# Allegro board LED_FIN.brd (continued)
## Routing (per net, layer and track width the routed paths; a pad name or vN(x,y) marks a point on that pad's centre or on a via; arc(x,y) is an arc through that point) (continued)
  BOTTOM w0.15: v1(155.25,10.6) 154.78,11.07 154.78,41.77 155.13,42.12 155.13,129.53 154.68,129.98 154.68,131.75 155.25,132.32 v1(155.25,166.8) v1(155.25,168.8) v1(155.25,170.8) v1(155.25,172.8) v1(155.25,174.8) v1(155.25,176.8) v1(155.25,178.8) v1(155.25,180.8) v1(155.25,182.8) v1(155.25,184.8) v1(155.25,186.8) v1(155.25,188.8) v1(155.25,190.8) v1(155.25,192.8) v1(155.25,194.8) v1(155.25,196.8) v1(155.25,198.8) v1(155.25,200.8) v1(155.25,202.8) v1(155.25,204.8) v1(155.25,206.8) v1(155.25,208.8) v1(155.25,210.8) v1(155.25,212.8) v1(155.25,214.8) v1(155.25,216.8) v1(155.25,218.8) v1(155.25,220.8) v1(155.25,222.8) v1(155.25,224.8) v1(155.25,226.8) v1(155.25,228.8) v1(155.25,230.8) v1(155.25,232.8) v1(155.25,234.8) v1(155.25,236.8) v1(155.25,238.8) v1(155.25,240.8)
COL_OUT_C62: length 257.6
  TOP w0.15: D10798.1 v1(153.25,206.8) ; D11158.1 v1(153.25,182.8) ; D11308.1 v1(153.25,172.8) ; D11278.1 v1(153.25,174.8) ; D10378.1 v1(153.25,234.8) ; D10498.1 v1(153.25,226.8) ; D10648.1 v1(153.25,216.8) ; D10528.1 v1(153.25,224.8) ; D10468.1 v1(153.25,228.8) ; D10558.1 v1(153.25,222.8) ; D10288.1 v1(153.25,240.8) ; D11188.1 v1(153.25,180.8) ; v1(153.25,10.6) 152.7,10.6 R298.1 ; D11218.1 v1(153.25,178.8) ; D10888.1 v1(153.25,200.8) ; D10618.1 v1(153.25,218.8) ; D10918.1 v1(153.25,198.8) ; D11068.1 v1(153.25,188.8) ; D10408.1 v1(153.25,232.8) ; D10708.1 v1(153.25,212.8) ; D11038.1 v1(153.25,190.8) ; D10738.1 v1(153.25,210.8) ; D10348.1 v1(153.25,236.8) ; D11098.1 v1(153.25,186.8) ; D10768.1 v1(153.25,208.8) ; D10978.1 v1(153.25,194.8) ; D10588.1 v1(153.25,220.8) ; D10438.1 v1(153.25,230.8) ; D10318.1 v1(153.25,238.8) ; D11368.1 v1(153.25,168.8) ; D11008.1 v1(153.25,192.8) ; D10828.1 v1(153.25,204.8) ; D11128.1 v1(153.25,184.8) ; D10948.1 v1(153.25,196.8) ; D10678.1 v1(153.25,214.8) ; D11248.1 v1(153.25,176.8) ; D10858.1 v1(153.25,202.8) ; D11398.1 v1(153.25,166.8) ; D11338.1 v1(153.25,170.8)
  BOTTOM w0.15: v1(153.25,240.8) v1(153.25,238.8) v1(153.25,236.8) v1(153.25,234.8) v1(153.25,232.8) v1(153.25,230.8) v1(153.25,228.8) v1(153.25,226.8) v1(153.25,224.8) v1(153.25,222.8) v1(153.25,220.8) v1(153.25,218.8) v1(153.25,216.8) v1(153.25,214.8) v1(153.25,212.8) v1(153.25,210.8) v1(153.25,208.8) v1(153.25,206.8) v1(153.25,204.8) v1(153.25,202.8) v1(153.25,200.8) v1(153.25,198.8) v1(153.25,196.8) v1(153.25,194.8) v1(153.25,192.8) v1(153.25,190.8) v1(153.25,188.8) v1(153.25,186.8) v1(153.25,184.8) v1(153.25,182.8) v1(153.25,180.8) v1(153.25,178.8) v1(153.25,176.8) v1(153.25,174.8) v1(153.25,172.8) v1(153.25,170.8) v1(153.25,168.8) v1(153.25,166.8) 153.34,166.71 153.34,41.87 153.44,41.77 153.44,10.79 v1(153.25,10.6)
COL_OUT_C63: length 257.9
  TOP w0.15: D10677.1 v1(151.25,214.8) ; D11397.1 v1(151.25,166.8) ; D10437.1 v1(151.25,230.8) ; D10407.1 v1(151.25,232.8) ; D10497.1 v1(151.25,226.8) ; D10527.1 v1(151.25,224.8) ; D10347.1 v1(151.25,236.8) ; D10857.1 v1(151.25,202.8) ; D10707.1 v1(151.25,212.8) ; D11217.1 v1(151.25,178.8) ; D11157.1 v1(151.25,182.8) ; D11007.1 v1(151.25,192.8) ; D10377.1 v1(151.25,234.8) ; D10917.1 v1(151.25,198.8) ; D10977.1 v1(151.25,194.8) ; R297.1 150.7,10.6 v1(151.25,10.6) ; D10827.1 v1(151.25,204.8) ; D10647.1 v1(151.25,216.8) ; D10767.1 v1(151.25,208.8) ; D10557.1 v1(151.25,222.8) ; D10737.1 v1(151.25,210.8) ; D11367.1 v1(151.25,168.8) ; D10467.1 v1(151.25,228.8) ; D10617.1 v1(151.25,218.8) ; D10587.1 v1(151.25,220.8) ; D10797.1 v1(151.25,206.8) ; D10947.1 v1(151.25,196.8) ; D11337.1 v1(151.25,170.8) ; D11067.1 v1(151.25,188.8) ; D11277.1 v1(151.25,174.8) ; D11037.1 v1(151.25,190.8) ; D10287.1 v1(151.25,240.8) ; D11307.1 v1(151.25,172.8) ; D11247.1 v1(151.25,176.8) ; D10887.1 v1(151.25,200.8) ; D11127.1 v1(151.25,184.8) ; D11097.1 v1(151.25,186.8) ; D11187.1 v1(151.25,180.8) ; D10317.1 v1(151.25,238.8)
  BOTTOM w0.15: v1(151.25,240.8) v1(151.25,238.8) v1(151.25,236.8) v1(151.25,234.8) v1(151.25,232.8) v1(151.25,230.8) v1(151.25,228.8) v1(151.25,226.8) v1(151.25,224.8) v1(151.25,222.8) v1(151.25,220.8) v1(151.25,218.8) v1(151.25,216.8) v1(151.25,214.8) v1(151.25,212.8) v1(151.25,210.8) v1(151.25,208.8) v1(151.25,206.8) v1(151.25,204.8) v1(151.25,202.8) v1(151.25,200.8) v1(151.25,198.8) v1(151.25,196.8) v1(151.25,194.8) v1(151.25,192.8) v1(151.25,190.8) v1(151.25,188.8) v1(151.25,186.8) v1(151.25,184.8) v1(151.25,182.8) v1(151.25,180.8) v1(151.25,178.8) v1(151.25,176.8) v1(151.25,174.8) v1(151.25,172.8) v1(151.25,170.8) v1(151.25,168.8) v1(151.25,166.8) 151.25,132.13 150.87,131.75 150.87,129.98 151.22,129.63 151.22,42.02 150.97,41.77 150.97,11.38 151.25,11.1 v1(151.25,10.6)
COL_OUT_C64: length 257.7
  TOP w0.15: D10646.1 v1(149.25,216.8) ; D11066.1 v1(149.25,188.8) ; D10436.1 v1(149.25,230.8) ; D10586.1 v1(149.25,220.8) ; D11246.1 v1(149.25,176.8) ; D11036.1 v1(149.25,190.8) ; D11126.1 v1(149.25,184.8) ; D11006.1 v1(149.25,192.8) ; D10916.1 v1(149.25,198.8) ; D10406.1 v1(149.25,232.8) ; D10466.1 v1(149.25,228.8) ; D10496.1 v1(149.25,226.8) ; D10766.1 v1(149.25,208.8) ; D10376.1 v1(149.25,234.8) ; D11396.1 v1(149.25,166.8) ; D10286.1 v1(149.25,240.8) ; D10316.1 v1(149.25,238.8) ; D10856.1 v1(149.25,202.8) ; D10976.1 v1(149.25,194.8) ; D10556.1 v1(149.25,222.8) ; D10826.1 v1(149.25,204.8) ; D10946.1 v1(149.25,196.8) ; D10796.1 v1(149.25,206.8) ; D10526.1 v1(149.25,224.8) ; D11156.1 v1(149.25,182.8) ; D11186.1 v1(149.25,180.8) ; D11216.1 v1(149.25,178.8) ; R296.1 148.7,10.6 v1(149.25,10.6) ; D11366.1 v1(149.25,168.8) ; D10616.1 v1(149.25,218.8) ; D10676.1 v1(149.25,214.8) ; D10706.1 v1(149.25,212.8) ; D10736.1 v1(149.25,210.8) ; D10886.1 v1(149.25,200.8) ; D11306.1 v1(149.25,172.8) ; D11336.1 v1(149.25,170.8) ; D10346.1 v1(149.25,236.8) ; D11276.1 v1(149.25,174.8) ; D11096.1 v1(149.25,186.8)
  BOTTOM w0.15: v1(149.25,240.8) v1(149.25,238.8) v1(149.25,236.8) v1(149.25,234.8) v1(149.25,232.8) v1(149.25,230.8) v1(149.25,228.8) v1(149.25,226.8) v1(149.25,224.8) v1(149.25,222.8) v1(149.25,220.8) v1(149.25,218.8) v1(149.25,216.8) v1(149.25,214.8) v1(149.25,212.8) v1(149.25,210.8) v1(149.25,208.8) v1(149.25,206.8) v1(149.25,204.8) v1(149.25,202.8) v1(149.25,200.8) v1(149.25,198.8) v1(149.25,196.8) v1(149.25,194.8) v1(149.25,192.8) v1(149.25,190.8) v1(149.25,188.8) v1(149.25,186.8) v1(149.25,184.8) v1(149.25,182.8) v1(149.25,180.8) v1(149.25,178.8) v1(149.25,176.8) v1(149.25,174.8) v1(149.25,172.8) v1(149.25,170.8) v1(149.25,168.8) v1(149.25,166.8) 149.25,132.03 149.53,131.75 149.53,41.87 149.63,41.77 149.63,10.98 v1(149.25,10.6)
COL_OUT_C65: length 257.6
  TOP w0.15: D10825.1 v1(147.25,204.8) ; D10705.1 v1(147.25,212.8) ; D10645.1 v1(147.25,216.8) ; D10855.1 v1(147.25,202.8) ; D10615.1 v1(147.25,218.8) ; D10285.1 v1(147.25,240.8) ; D10405.1 v1(147.25,232.8) ; D11275.1 v1(147.25,174.8) ; D11035.1 v1(147.25,190.8) ; D10435.1 v1(147.25,230.8) ; D10465.1 v1(147.25,228.8) ; D11005.1 v1(147.25,192.8) ; D11125.1 v1(147.25,184.8) ; D10345.1 v1(147.25,236.8) ; D11185.1 v1(147.25,180.8) ; D11065.1 v1(147.25,188.8) ; D11365.1 v1(147.25,168.8) ; R295.1 146.7,10.6 v1(147.25,10.6) ; D10375.1 v1(147.25,234.8) ; D11215.1 v1(147.25,178.8) ; D10945.1 v1(147.25,196.8) ; D10915.1 v1(147.25,198.8) ; D10735.1 v1(147.25,210.8) ; D11095.1 v1(147.25,186.8) ; D10525.1 v1(147.25,224.8) ; D10495.1 v1(147.25,226.8) ; D11335.1 v1(147.25,170.8) ; D11305.1 v1(147.25,172.8) ; D10795.1 v1(147.25,206.8) ; D10675.1 v1(147.25,214.8) ; D10885.1 v1(147.25,200.8) ; D11395.1 v1(147.25,166.8) ; D10765.1 v1(147.25,208.8) ; D10555.1 v1(147.25,222.8) ; D10315.1 v1(147.25,238.8) ; D11155.1 v1(147.25,182.8) ; D11245.1 v1(147.25,176.8) ; D10585.1 v1(147.25,220.8) ; D10975.1 v1(147.25,194.8)
  BOTTOM w0.15: v1(147.25,10.6) 147.16,10.69 147.16,129.88 147.06,129.98 147.06,166.61 v1(147.25,166.8) v1(147.25,168.8) v1(147.25,170.8) v1(147.25,172.8) v1(147.25,174.8) v1(147.25,176.8) v1(147.25,178.8) v1(147.25,180.8) v1(147.25,182.8) v1(147.25,184.8) v1(147.25,186.8) v1(147.25,188.8) v1(147.25,190.8) v1(147.25,192.8) v1(147.25,194.8) v1(147.25,196.8) v1(147.25,198.8) v1(147.25,200.8) v1(147.25,202.8) v1(147.25,204.8) v1(147.25,206.8) v1(147.25,208.8) v1(147.25,210.8) v1(147.25,212.8) v1(147.25,214.8) v1(147.25,216.8) v1(147.25,218.8) v1(147.25,220.8) v1(147.25,222.8) v1(147.25,224.8) v1(147.25,226.8) v1(147.25,228.8) v1(147.25,230.8) v1(147.25,232.8) v1(147.25,234.8) v1(147.25,236.8) v1(147.25,238.8) v1(147.25,240.8)
COL_OUT_C66: length 258.1
  TOP w0.15: D11364.1 v1(145.25,168.8) ; D10974.1 v1(145.25,194.8) ; D10464.1 v1(145.25,228.8) ; D11334.1 v1(145.25,170.8) ; D10284.1 v1(145.25,240.8) ; v1(145.25,10.6) 144.7,10.6 R294.1 ; D10704.1 v1(145.25,212.8) ; D10524.1 v1(145.25,224.8) ; D11184.1 v1(145.25,180.8) ; D10854.1 v1(145.25,202.8) ; D10914.1 v1(145.25,198.8) ; D10884.1 v1(145.25,200.8) ; D11094.1 v1(145.25,186.8) ; D10314.1 v1(145.25,238.8) ; D11154.1 v1(145.25,182.8) ; D11034.1 v1(145.25,190.8) ; D10644.1 v1(145.25,216.8) ; D11274.1 v1(145.25,174.8) ; D11394.1 v1(145.25,166.8) ; D10344.1 v1(145.25,236.8) ; D11124.1 v1(145.25,184.8) ; D10374.1 v1(145.25,234.8) ; D10764.1 v1(145.25,208.8) ; D11004.1 v1(145.25,192.8) ; D10794.1 v1(145.25,206.8) ; D11244.1 v1(145.25,176.8) ; D10554.1 v1(145.25,222.8) ; D11304.1 v1(145.25,172.8) ; D11064.1 v1(145.25,188.8) ; D10404.1 v1(145.25,232.8) ; D10434.1 v1(145.25,230.8) ; D10614.1 v1(145.25,218.8) ; D10584.1 v1(145.25,220.8) ; D10734.1 v1(145.25,210.8) ; D10824.1 v1(145.25,204.8) ; D11214.1 v1(145.25,178.8) ; D10494.1 v1(145.25,226.8) ; D10674.1 v1(145.25,214.8) ; D10944.1 v1(145.25,196.8)
  BOTTOM w0.15: v1(145.25,10.6) 145.25,39.43 145.82,40 145.82,41.77 145.47,42.12 145.47,129.73 145.72,129.98 145.72,131.75 145.25,132.22 v1(145.25,166.8) v1(145.25,168.8) v1(145.25,170.8) v1(145.25,172.8) v1(145.25,174.8) v1(145.25,176.8) v1(145.25,178.8) v1(145.25,180.8) v1(145.25,182.8) v1(145.25,184.8) v1(145.25,186.8) v1(145.25,188.8) v1(145.25,190.8) v1(145.25,192.8) v1(145.25,194.8) v1(145.25,196.8) v1(145.25,198.8) v1(145.25,200.8) v1(145.25,202.8) v1(145.25,204.8) v1(145.25,206.8) v1(145.25,208.8) v1(145.25,210.8) v1(145.25,212.8) v1(145.25,214.8) v1(145.25,216.8) v1(145.25,218.8) v1(145.25,220.8) v1(145.25,222.8) v1(145.25,224.8) v1(145.25,226.8) v1(145.25,228.8) v1(145.25,230.8) v1(145.25,232.8) v1(145.25,234.8) v1(145.25,236.8) v1(145.25,238.8) v1(145.25,240.8)
COL_OUT_C67: length 257.4
  TOP w0.15: D11093.1 v1(143.25,186.8) ; D10763.1 v1(143.25,208.8) ; D11183.1 v1(143.25,180.8) ; D11303.1 v1(143.25,172.8) ; D11153.1 v1(143.25,182.8) ; D10703.1 v1(143.25,212.8) ; D10793.1 v1(143.25,206.8) ; D11123.1 v1(143.25,184.8) ; D10523.1 v1(143.25,224.8) ; D10313.1 v1(143.25,238.8) ; D10943.1 v1(143.25,196.8) ; D10673.1 v1(143.25,214.8) ; D11033.1 v1(143.25,190.8) ; D10913.1 v1(143.25,198.8) ; D11333.1 v1(143.25,170.8) ; D11363.1 v1(143.25,168.8) ; D10283.1 v1(143.25,240.8) ; v1(143.25,10.6) 142.7,10.6 R293.1 ; D10643.1 v1(143.25,216.8) ; D10973.1 v1(143.25,194.8) ; D10613.1 v1(143.25,218.8) ; D10343.1 v1(143.25,236.8) ; D11213.1 v1(143.25,178.8) ; D10373.1 v1(143.25,234.8) ; D10463.1 v1(143.25,228.8) ; D11003.1 v1(143.25,192.8) ; D10403.1 v1(143.25,232.8) ; D11393.1 v1(143.25,166.8) ; D11273.1 v1(143.25,174.8) ; D10433.1 v1(143.25,230.8) ; D10853.1 v1(143.25,202.8) ; D10883.1 v1(143.25,200.8) ; D10493.1 v1(143.25,226.8) ; D11063.1 v1(143.25,188.8) ; D10733.1 v1(143.25,210.8) ; D10583.1 v1(143.25,220.8) ; D10553.1 v1(143.25,222.8) ; D10823.1 v1(143.25,204.8) ; D11243.1 v1(143.25,176.8)
  BOTTOM w0.15: v1(143.25,10.6) 143.28,10.63 143.28,41.77 143.25,41.8 v1(143.25,166.8) v1(143.25,168.8) v1(143.25,170.8) v1(143.25,172.8) v1(143.25,174.8) v1(143.25,176.8) v1(143.25,178.8) v1(143.25,180.8) v1(143.25,182.8) v1(143.25,184.8) v1(143.25,186.8) v1(143.25,188.8) v1(143.25,190.8) v1(143.25,192.8) v1(143.25,194.8) v1(143.25,196.8) v1(143.25,198.8) v1(143.25,200.8) v1(143.25,202.8) v1(143.25,204.8) v1(143.25,206.8) v1(143.25,208.8) v1(143.25,210.8) v1(143.25,212.8) v1(143.25,214.8) v1(143.25,216.8) v1(143.25,218.8) v1(143.25,220.8) v1(143.25,222.8) v1(143.25,224.8) v1(143.25,226.8) v1(143.25,228.8) v1(143.25,230.8) v1(143.25,232.8) v1(143.25,234.8) v1(143.25,236.8) v1(143.25,238.8) v1(143.25,240.8)
COL_OUT_C68: length 258.1
  TOP w0.15: D11272.1 v1(141.25,174.8) ; D11062.1 v1(141.25,188.8) ; D10462.1 v1(141.25,228.8) ; D10642.1 v1(141.25,216.8) ; D11122.1 v1(141.25,184.8) ; D10402.1 v1(141.25,232.8) ; D11182.1 v1(141.25,180.8) ; R292.1 140.7,10.6 v1(141.25,10.6) ; D11002.1 v1(141.25,192.8) ; D10912.1 v1(141.25,198.8) ; D10942.1 v1(141.25,196.8) ; D10282.1 v1(141.25,240.8) ; D11332.1 v1(141.25,170.8) ; D11092.1 v1(141.25,186.8) ; D10732.1 v1(141.25,210.8) ; D10672.1 v1(141.25,214.8) ; D10492.1 v1(141.25,226.8) ; D10762.1 v1(141.25,208.8) ; D10882.1 v1(141.25,200.8) ; D11392.1 v1(141.25,166.8) ; D11032.1 v1(141.25,190.8) ; D11212.1 v1(141.25,178.8) ; D10972.1 v1(141.25,194.8) ; D11242.1 v1(141.25,176.8) ; D10372.1 v1(141.25,234.8) ; D10312.1 v1(141.25,238.8) ; D10552.1 v1(141.25,222.8) ; D10612.1 v1(141.25,218.8) ; D10582.1 v1(141.25,220.8) ; D10702.1 v1(141.25,212.8) ; D10852.1 v1(141.25,202.8) ; D10522.1 v1(141.25,224.8) ; D11362.1 v1(141.25,168.8) ; D11152.1 v1(141.25,182.8) ; D11302.1 v1(141.25,172.8) ; D10342.1 v1(141.25,236.8) ; D10822.1 v1(141.25,204.8) ; D10792.1 v1(141.25,206.8) ; D10432.1 v1(141.25,230.8)
  BOTTOM w0.15: v1(141.25,10.6) 140.81,11.04 140.81,41.77 141.06,42.02 141.06,129.63 140.71,129.98 140.71,131.75 141.25,132.29 v1(141.25,166.8) v1(141.25,168.8) v1(141.25,170.8) v1(141.25,172.8) v1(141.25,174.8) v1(141.25,176.8) v1(141.25,178.8) v1(141.25,180.8) v1(141.25,182.8) v1(141.25,184.8) v1(141.25,186.8) v1(141.25,188.8) v1(141.25,190.8) v1(141.25,192.8) v1(141.25,194.8) v1(141.25,196.8) v1(141.25,198.8) v1(141.25,200.8) v1(141.25,202.8) v1(141.25,204.8) v1(141.25,206.8) v1(141.25,208.8) v1(141.25,210.8) v1(141.25,212.8) v1(141.25,214.8) v1(141.25,216.8) v1(141.25,218.8) v1(141.25,220.8) v1(141.25,222.8) v1(141.25,224.8) v1(141.25,226.8) v1(141.25,228.8) v1(141.25,230.8) v1(141.25,232.8) v1(141.25,234.8) v1(141.25,236.8) v1(141.25,238.8) v1(141.25,240.8)
COL_OUT_C69: length 257.6
  TOP w0.15: D10821.1 v1(139.25,204.8) ; D11301.1 v1(139.25,172.8) ; R291.1 138.7,10.6 v1(139.25,10.6) ; D10551.1 v1(139.25,222.8) ; D10701.1 v1(139.25,212.8) ; D11061.1 v1(139.25,188.8) ; D11331.1 v1(139.25,170.8) ; D10611.1 v1(139.25,218.8) ; D11391.1 v1(139.25,166.8) ; D11151.1 v1(139.25,182.8) ; D10761.1 v1(139.25,208.8) ; D10911.1 v1(139.25,198.8) ; D11211.1 v1(139.25,178.8) ; D10311.1 v1(139.25,238.8) ; D10641.1 v1(139.25,216.8) ; D10521.1 v1(139.25,224.8) ; D11241.1 v1(139.25,176.8) ; D11091.1 v1(139.25,186.8) ; D10941.1 v1(139.25,196.8) ; D10401.1 v1(139.25,232.8) ; D10881.1 v1(139.25,200.8) ; D11031.1 v1(139.25,190.8) ; D10491.1 v1(139.25,226.8) ; D11181.1 v1(139.25,180.8) ; D10281.1 v1(139.25,240.8) ; D11001.1 v1(139.25,192.8) ; D10851.1 v1(139.25,202.8) ; D10431.1 v1(139.25,230.8) ; D10791.1 v1(139.25,206.8) ; D11121.1 v1(139.25,184.8) ; D10971.1 v1(139.25,194.8) ; D11361.1 v1(139.25,168.8) ; D10371.1 v1(139.25,234.8) ; D10341.1 v1(139.25,236.8) ; D11271.1 v1(139.25,174.8) ; D10671.1 v1(139.25,214.8) ; D10461.1 v1(139.25,228.8) ; D10731.1 v1(139.25,210.8) ; D10581.1 v1(139.25,220.8)
  BOTTOM w0.15: v1(139.25,240.8) v1(139.25,238.8) v1(139.25,236.8) v1(139.25,234.8) v1(139.25,232.8) v1(139.25,230.8) v1(139.25,228.8) v1(139.25,226.8) v1(139.25,224.8) v1(139.25,222.8) v1(139.25,220.8) v1(139.25,218.8) v1(139.25,216.8) v1(139.25,214.8) v1(139.25,212.8) v1(139.25,210.8) v1(139.25,208.8) v1(139.25,206.8) v1(139.25,204.8) v1(139.25,202.8) v1(139.25,200.8) v1(139.25,198.8) v1(139.25,196.8) v1(139.25,194.8) v1(139.25,192.8) v1(139.25,190.8) v1(139.25,188.8) v1(139.25,186.8) v1(139.25,184.8) v1(139.25,182.8) v1(139.25,180.8) v1(139.25,178.8) v1(139.25,176.8) v1(139.25,174.8) v1(139.25,172.8) v1(139.25,170.8) v1(139.25,168.8) v1(139.25,166.8) 139.37,166.68 139.37,41.87 139.47,41.77 139.47,11.32 139.25,11.1 v1(139.25,10.6)
COL_OUT_C70: length 257.9
  TOP w0.15: D11150.1 v1(137.25,182.8) ; D10670.1 v1(137.25,214.8) ; D10430.1 v1(137.25,230.8) ; D10490.1 v1(137.25,226.8) ; D10550.1 v1(137.25,222.8) ; D10880.1 v1(137.25,200.8) ; D10460.1 v1(137.25,228.8) ; D10760.1 v1(137.25,208.8) ; D10700.1 v1(137.25,212.8) ; D11390.1 v1(137.25,166.8) ; D11120.1 v1(137.25,184.8) ; v1(137.25,10.6) 136.7,10.6 R290.1 ; D11180.1 v1(137.25,180.8) ; D11210.1 v1(137.25,178.8) ; D10940.1 v1(137.25,196.8) ; D11240.1 v1(137.25,176.8) ; D10310.1 v1(137.25,238.8) ; D10610.1 v1(137.25,218.8) ; D10970.1 v1(137.25,194.8) ; D10520.1 v1(137.25,224.8) ; D10580.1 v1(137.25,220.8) ; D10280.1 v1(137.25,240.8) ; D10910.1 v1(137.25,198.8) ; D10370.1 v1(137.25,234.8) ; D10340.1 v1(137.25,236.8) ; D11090.1 v1(137.25,186.8) ; D10790.1 v1(137.25,206.8) ; D11060.1 v1(137.25,188.8) ; D11270.1 v1(137.25,174.8) ; D10730.1 v1(137.25,210.8) ; D11300.1 v1(137.25,172.8) ; D10400.1 v1(137.25,232.8) ; D11000.1 v1(137.25,192.8) ; D10640.1 v1(137.25,216.8) ; D10850.1 v1(137.25,202.8) ; D11330.1 v1(137.25,170.8) ; D10820.1 v1(137.25,204.8) ; D11360.1 v1(137.25,168.8) ; D11030.1 v1(137.25,190.8)
  BOTTOM w0.15: v1(137.25,240.8) v1(137.25,238.8) v1(137.25,236.8) v1(137.25,234.8) v1(137.25,232.8) v1(137.25,230.8) v1(137.25,228.8) v1(137.25,226.8) v1(137.25,224.8) v1(137.25,222.8) v1(137.25,220.8) v1(137.25,218.8) v1(137.25,216.8) v1(137.25,214.8) v1(137.25,212.8) v1(137.25,210.8) v1(137.25,208.8) v1(137.25,206.8) v1(137.25,204.8) v1(137.25,202.8) v1(137.25,200.8) v1(137.25,198.8) v1(137.25,196.8) v1(137.25,194.8) v1(137.25,192.8) v1(137.25,190.8) v1(137.25,188.8) v1(137.25,186.8) v1(137.25,184.8) v1(137.25,182.8) v1(137.25,180.8) v1(137.25,178.8) v1(137.25,176.8) v1(137.25,174.8) v1(137.25,172.8) v1(137.25,170.8) v1(137.25,168.8) v1(137.25,166.8) 137.25,132.1 136.9,131.75 136.9,129.98 137.25,129.63 137.25,42.02 137,41.77 137,11.35 137.25,11.1 v1(137.25,10.6)
COL_OUT_C71: length 257.8
  TOP w0.15: D10729.1 v1(135.25,210.8) ; D10579.1 v1(135.25,220.8) ; D11239.1 v1(135.25,176.8) ; D10339.1 v1(135.25,236.8) ; D10789.1 v1(135.25,206.8) ; D11269.1 v1(135.25,174.8) ; D10309.1 v1(135.25,238.8) ; D10999.1 v1(135.25,192.8) ; R289.1 134.7,10.6 v1(135.25,10.6) ; D11059.1 v1(135.25,188.8) ; D10399.1 v1(135.25,232.8) ; D10369.1 v1(135.25,234.8) ; D10909.1 v1(135.25,198.8) ; D11089.1 v1(135.25,186.8) ; D11119.1 v1(135.25,184.8) ; D10669.1 v1(135.25,214.8) ; D10459.1 v1(135.25,228.8) ; D10879.1 v1(135.25,200.8) ; D10969.1 v1(135.25,194.8) ; D10849.1 v1(135.25,202.8) ; D10759.1 v1(135.25,208.8) ; D11149.1 v1(135.25,182.8) ; D11389.1 v1(135.25,166.8) ; D10699.1 v1(135.25,212.8) ; D10519.1 v1(135.25,224.8) ; D11179.1 v1(135.25,180.8) ; D11329.1 v1(135.25,170.8) ; D11299.1 v1(135.25,172.8) ; D11029.1 v1(135.25,190.8) ; D11209.1 v1(135.25,178.8) ; D10939.1 v1(135.25,196.8) ; D10489.1 v1(135.25,226.8) ; D10279.1 v1(135.25,240.8) ; D10549.1 v1(135.25,222.8) ; D10819.1 v1(135.25,204.8) ; D11359.1 v1(135.25,168.8) ; D10429.1 v1(135.25,230.8) ; D10609.1 v1(135.25,218.8) ; D10639.1 v1(135.25,216.8)
  BOTTOM w0.15: v1(135.25,10.6) 135.66,11.01 135.66,41.77 135.56,41.87 135.56,131.75 135.25,132.06 v1(135.25,166.8) v1(135.25,168.8) v1(135.25,170.8) v1(135.25,172.8) v1(135.25,174.8) v1(135.25,176.8) v1(135.25,178.8) v1(135.25,180.8) v1(135.25,182.8) v1(135.25,184.8) v1(135.25,186.8) v1(135.25,188.8) v1(135.25,190.8) v1(135.25,192.8) v1(135.25,194.8) v1(135.25,196.8) v1(135.25,198.8) v1(135.25,200.8) v1(135.25,202.8) v1(135.25,204.8) v1(135.25,206.8) v1(135.25,208.8) v1(135.25,210.8) v1(135.25,212.8) v1(135.25,214.8) v1(135.25,216.8) v1(135.25,218.8) v1(135.25,220.8) v1(135.25,222.8) v1(135.25,224.8) v1(135.25,226.8) v1(135.25,228.8) v1(135.25,230.8) v1(135.25,232.8) v1(135.25,234.8) v1(135.25,236.8) v1(135.25,238.8) v1(135.25,240.8)
COL_OUT_C72: length 257.6
  TOP w0.15: D10938.1 v1(133.25,196.8) ; R288.1 132.7,10.6 v1(133.25,10.6) ; D10458.1 v1(133.25,228.8) ; D11298.1 v1(133.25,172.8) ; D10398.1 v1(133.25,232.8) ; D11208.1 v1(133.25,178.8) ; D11178.1 v1(133.25,180.8) ; D10278.1 v1(133.25,240.8) ; D10608.1 v1(133.25,218.8) ; D10368.1 v1(133.25,234.8) ; D11328.1 v1(133.25,170.8) ; D10698.1 v1(133.25,212.8) ; D11088.1 v1(133.25,186.8) ; D11118.1 v1(133.25,184.8) ; D11238.1 v1(133.25,176.8) ; D10638.1 v1(133.25,216.8) ; D10338.1 v1(133.25,236.8) ; D10518.1 v1(133.25,224.8) ; D11028.1 v1(133.25,190.8) ; D11148.1 v1(133.25,182.8) ; D11358.1 v1(133.25,168.8) ; D11058.1 v1(133.25,188.8) ; D11388.1 v1(133.25,166.8) ; D10848.1 v1(133.25,202.8) ; D10758.1 v1(133.25,208.8) ; D10788.1 v1(133.25,206.8) ; D10818.1 v1(133.25,204.8) ; D10968.1 v1(133.25,194.8) ; D10548.1 v1(133.25,222.8) ; D10308.1 v1(133.25,238.8) ; D10878.1 v1(133.25,200.8) ; D10578.1 v1(133.25,220.8) ; D10488.1 v1(133.25,226.8) ; D10908.1 v1(133.25,198.8) ; D11268.1 v1(133.25,174.8) ; D10428.1 v1(133.25,230.8) ; D10668.1 v1(133.25,214.8) ; D10728.1 v1(133.25,210.8) ; D10998.1 v1(133.25,192.8)
  BOTTOM w0.15: v1(133.25,240.8) v1(133.25,238.8) v1(133.25,236.8) v1(133.25,234.8) v1(133.25,232.8) v1(133.25,230.8) v1(133.25,228.8) v1(133.25,226.8) v1(133.25,224.8) v1(133.25,222.8) v1(133.25,220.8) v1(133.25,218.8) v1(133.25,216.8) v1(133.25,214.8) v1(133.25,212.8) v1(133.25,210.8) v1(133.25,208.8) v1(133.25,206.8) v1(133.25,204.8) v1(133.25,202.8) v1(133.25,200.8) v1(133.25,198.8) v1(133.25,196.8) v1(133.25,194.8) v1(133.25,192.8) v1(133.25,190.8) v1(133.25,188.8) v1(133.25,186.8) v1(133.25,184.8) v1(133.25,182.8) v1(133.25,180.8) v1(133.25,178.8) v1(133.25,176.8) v1(133.25,174.8) v1(133.25,172.8) v1(133.25,170.8) v1(133.25,168.8) v1(133.25,166.8) 133.09,166.64 133.09,129.98 133.19,129.88 133.19,10.66 v1(133.25,10.6)
COL_OUT_C73: length 257.5
  TOP w0.15: D10847.1 v1(131.25,202.8) ; D10877.1 v1(131.25,200.8) ; D10397.1 v1(131.25,232.8) ; D10577.1 v1(131.25,220.8) ; D10457.1 v1(131.25,228.8) ; D11087.1 v1(131.25,186.8) ; D10757.1 v1(131.25,208.8) ; D10307.1 v1(131.25,238.8) ; R287.1 130.7,10.6 v1(131.25,10.6) ; D11177.1 v1(131.25,180.8) ; D11147.1 v1(131.25,182.8) ; D10937.1 v1(131.25,196.8) ; D10667.1 v1(131.25,214.8) ; D10487.1 v1(131.25,226.8) ; D10787.1 v1(131.25,206.8) ; D10997.1 v1(131.25,192.8) ; D11327.1 v1(131.25,170.8) ; D10817.1 v1(131.25,204.8) ; D11297.1 v1(131.25,172.8) ; D10727.1 v1(131.25,210.8) ; D11387.1 v1(131.25,166.8) ; D10607.1 v1(131.25,218.8) ; D11267.1 v1(131.25,174.8) ; D10697.1 v1(131.25,212.8) ; D11207.1 v1(131.25,178.8) ; D11357.1 v1(131.25,168.8) ; D10967.1 v1(131.25,194.8) ; D11237.1 v1(131.25,176.8) ; D11057.1 v1(131.25,188.8) ; D10517.1 v1(131.25,224.8) ; D10637.1 v1(131.25,216.8) ; D10427.1 v1(131.25,230.8) ; D10907.1 v1(131.25,198.8) ; D10547.1 v1(131.25,222.8) ; D10277.1 v1(131.25,240.8) ; D10367.1 v1(131.25,234.8) ; D10337.1 v1(131.25,236.8) ; D11117.1 v1(131.25,184.8) ; D11027.1 v1(131.25,190.8)
  BOTTOM w0.15: v1(131.25,10.6) 131.29,10.63 131.29,41.97 131.38,42.07 131.38,166.66 v1(131.25,166.8) v1(131.25,168.8) v1(131.25,170.8) v1(131.25,172.8) v1(131.25,174.8) v1(131.25,176.8) v1(131.25,178.8) v1(131.25,180.8) v1(131.25,182.8) v1(131.25,184.8) v1(131.25,186.8) v1(131.25,188.8) v1(131.25,190.8) v1(131.25,192.8) v1(131.25,194.8) v1(131.25,196.8) v1(131.25,198.8) v1(131.25,200.8) v1(131.25,202.8) v1(131.25,204.8) v1(131.25,206.8) v1(131.25,208.8) v1(131.25,210.8) v1(131.25,212.8) v1(131.25,214.8) v1(131.25,216.8) v1(131.25,218.8) v1(131.25,220.8) v1(131.25,222.8) v1(131.25,224.8) v1(131.25,226.8) v1(131.25,228.8) v1(131.25,230.8) v1(131.25,232.8) v1(131.25,234.8) v1(131.25,236.8) v1(131.25,238.8) v1(131.25,240.8)
COL_OUT_C74: length 257.5
  TOP w0.15: D10636.1 v1(129.25,216.8) ; D11356.1 v1(129.25,168.8) ; D10846.1 v1(129.25,202.8) ; D11116.1 v1(129.25,184.8) ; D11056.1 v1(129.25,188.8) ; D10906.1 v1(129.25,198.8) ; D10966.1 v1(129.25,194.8) ; R286.1 128.7,10.6 v1(129.25,10.6) ; D10456.1 v1(129.25,228.8) ; D11266.1 v1(129.25,174.8) ; D10996.1 v1(129.25,192.8) ; D11326.1 v1(129.25,170.8) ; D10486.1 v1(129.25,226.8) ; D11026.1 v1(129.25,190.8) ; D11146.1 v1(129.25,182.8) ; D10306.1 v1(129.25,238.8) ; D10576.1 v1(129.25,220.8) ; D10936.1 v1(129.25,196.8) ; D10336.1 v1(129.25,236.8) ; D10756.1 v1(129.25,208.8) ; D10876.1 v1(129.25,200.8) ; D10786.1 v1(129.25,206.8) ; D11086.1 v1(129.25,186.8) ; D10666.1 v1(129.25,214.8) ; D10516.1 v1(129.25,224.8) ; D10426.1 v1(129.25,230.8) ; D10696.1 v1(129.25,212.8) ; D10366.1 v1(129.25,234.8) ; D11176.1 v1(129.25,180.8) ; D10546.1 v1(129.25,222.8) ; D10816.1 v1(129.25,204.8) ; D11236.1 v1(129.25,176.8) ; D10726.1 v1(129.25,210.8) ; D10606.1 v1(129.25,218.8) ; D11386.1 v1(129.25,166.8) ; D10276.1 v1(129.25,240.8) ; D11206.1 v1(129.25,178.8) ; D10396.1 v1(129.25,232.8) ; D11296.1 v1(129.25,172.8)
  BOTTOM w0.15: v1(129.25,10.6) 129.38,10.73 129.38,41.77 129.28,41.87 129.28,166.77 v1(129.25,166.8) v1(129.25,168.8) v1(129.25,170.8) v1(129.25,172.8) v1(129.25,174.8) v1(129.25,176.8) v1(129.25,178.8) v1(129.25,180.8) v1(129.25,182.8) v1(129.25,184.8) v1(129.25,186.8) v1(129.25,188.8) v1(129.25,190.8) v1(129.25,192.8) v1(129.25,194.8) v1(129.25,196.8) v1(129.25,198.8) v1(129.25,200.8) v1(129.25,202.8) v1(129.25,204.8) v1(129.25,206.8) v1(129.25,208.8) v1(129.25,210.8) v1(129.25,212.8) v1(129.25,214.8) v1(129.25,216.8) v1(129.25,218.8) v1(129.25,220.8) v1(129.25,222.8) v1(129.25,224.8) v1(129.25,226.8) v1(129.25,228.8) v1(129.25,230.8) v1(129.25,232.8) v1(129.25,234.8) v1(129.25,236.8) v1(129.25,238.8) v1(129.25,240.8)
